# Altium PCB 24V-12V__4x5.PcbDoc (part 1 of 3)
Units mm, origin at the board's own origin, x right, y up, seen from the top; angles counter-clockwise.
Board outline 50.6 x 38 mm, 2 copper layers (Top Layer, Bottom Layer); 540 components, 0 nets, 1936 pads, 840 vias.
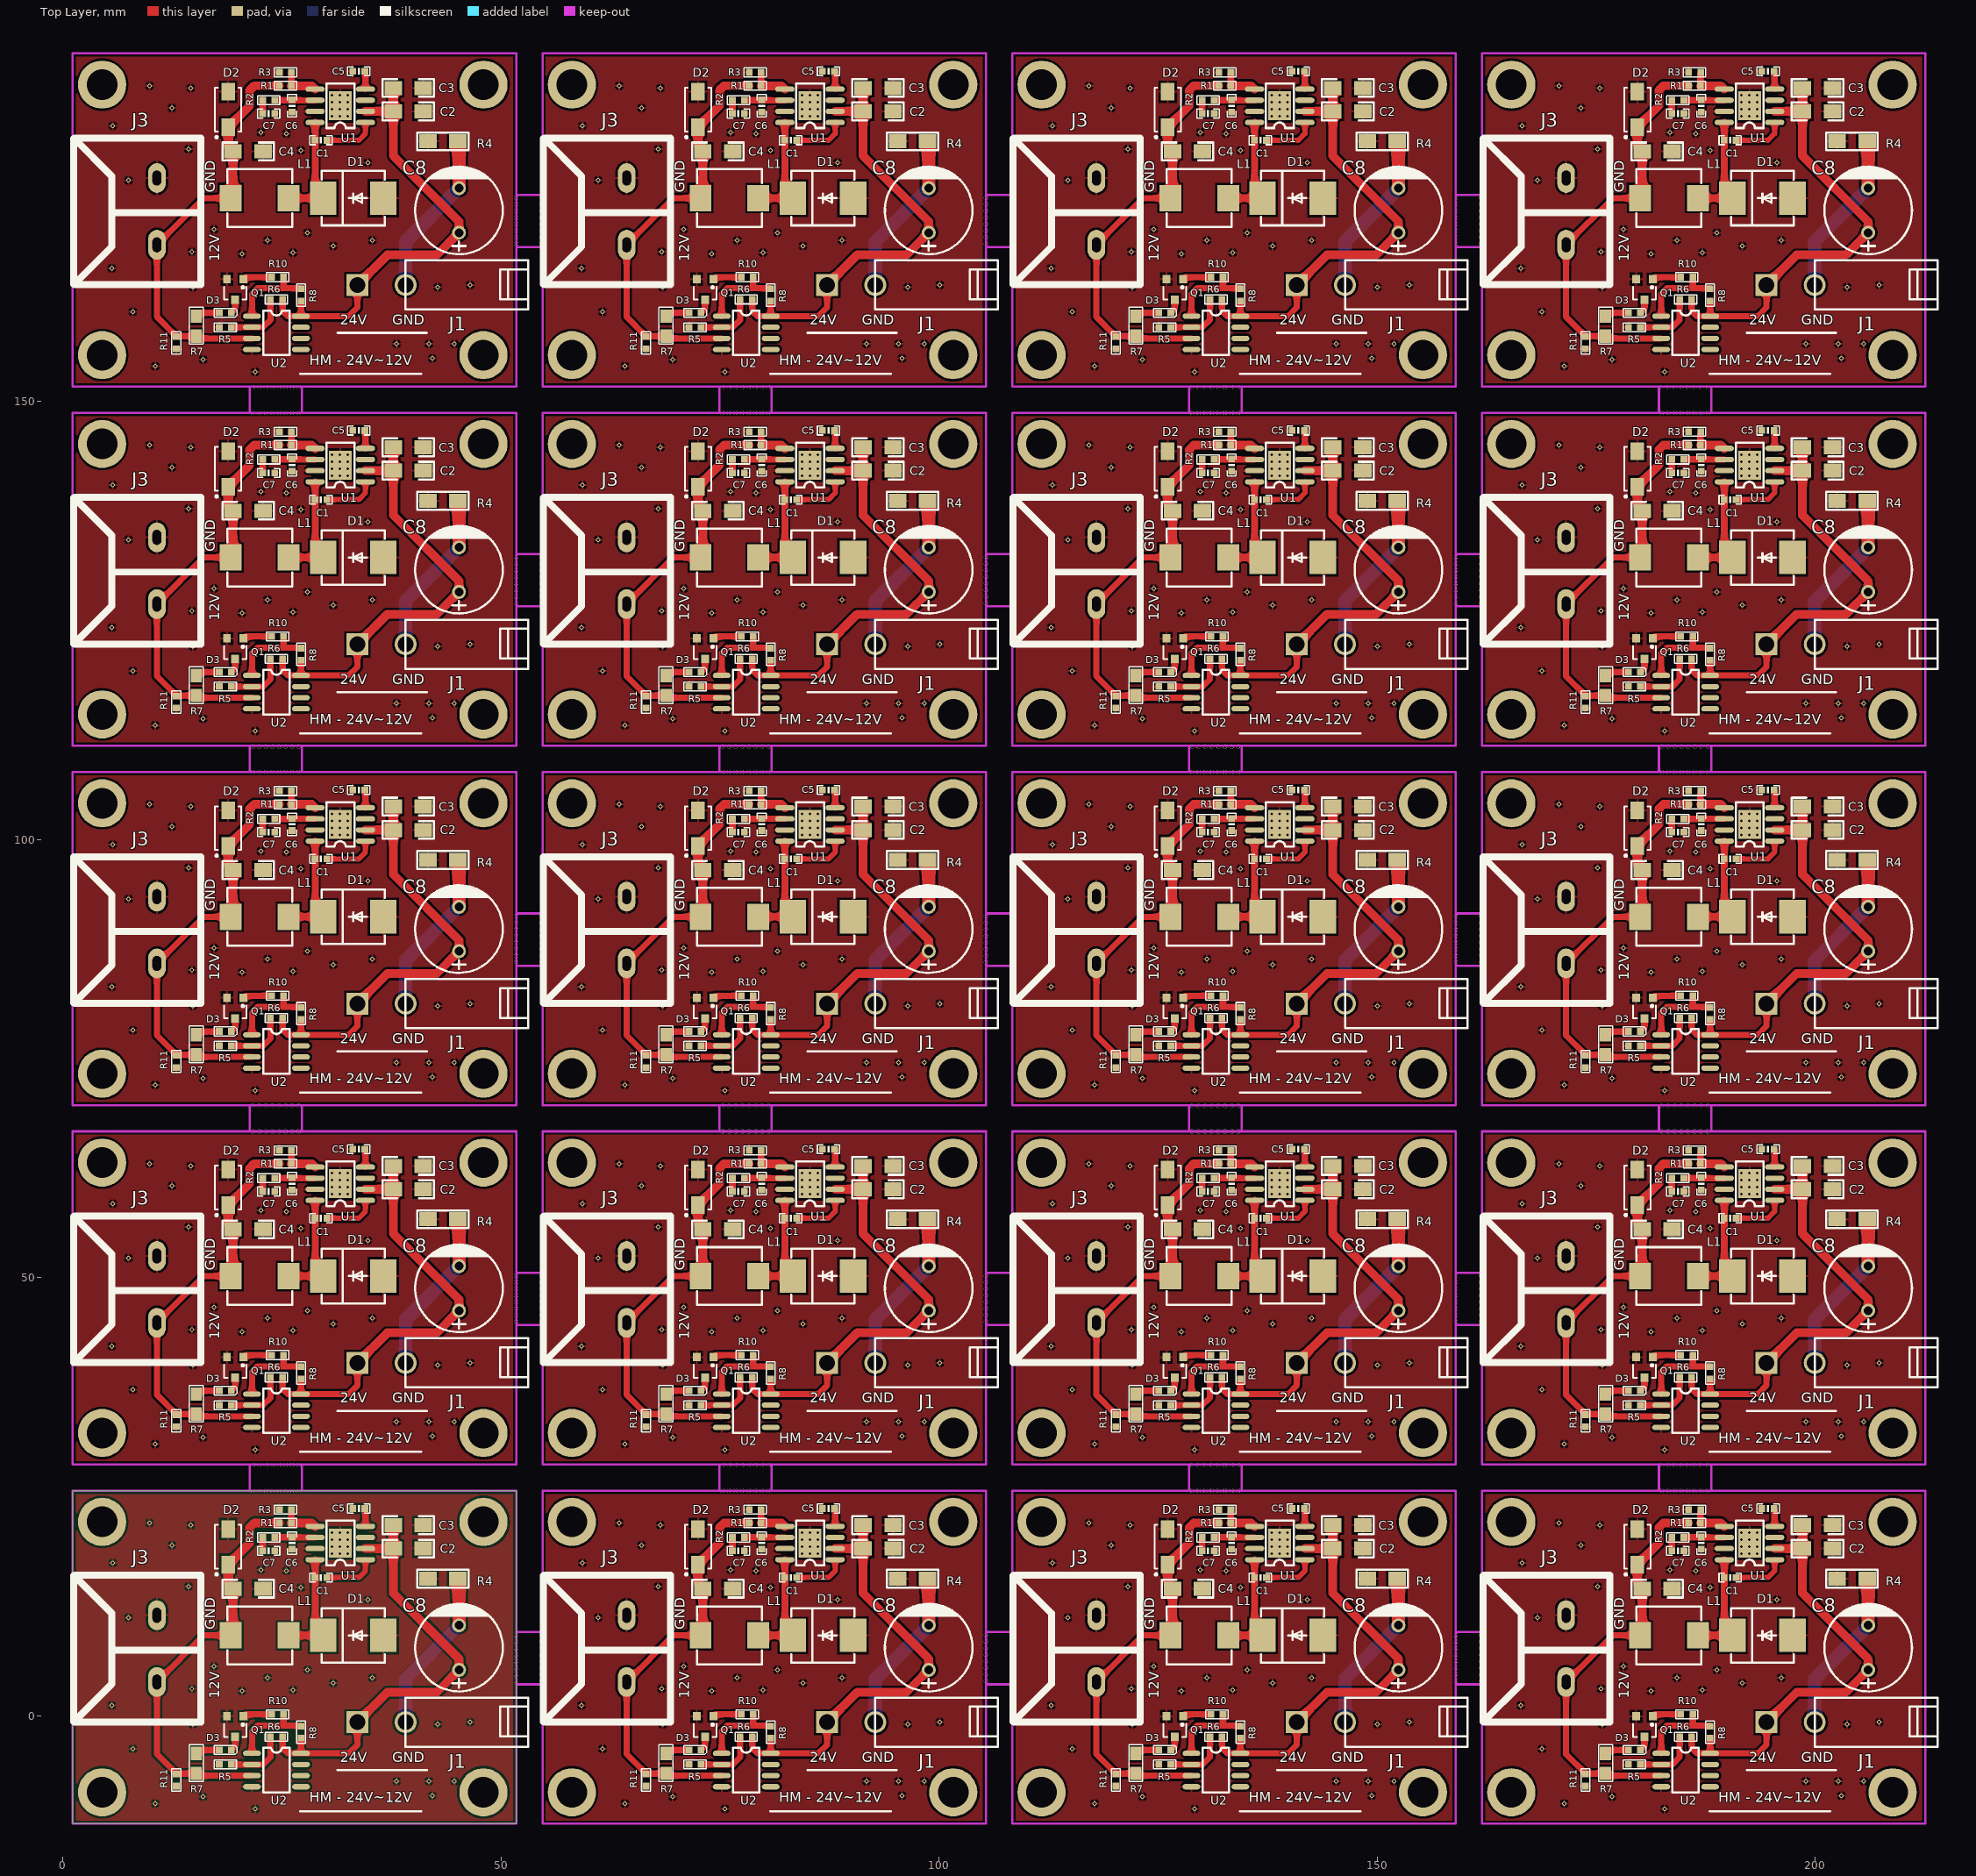
[diagram p0: Top Layer view]
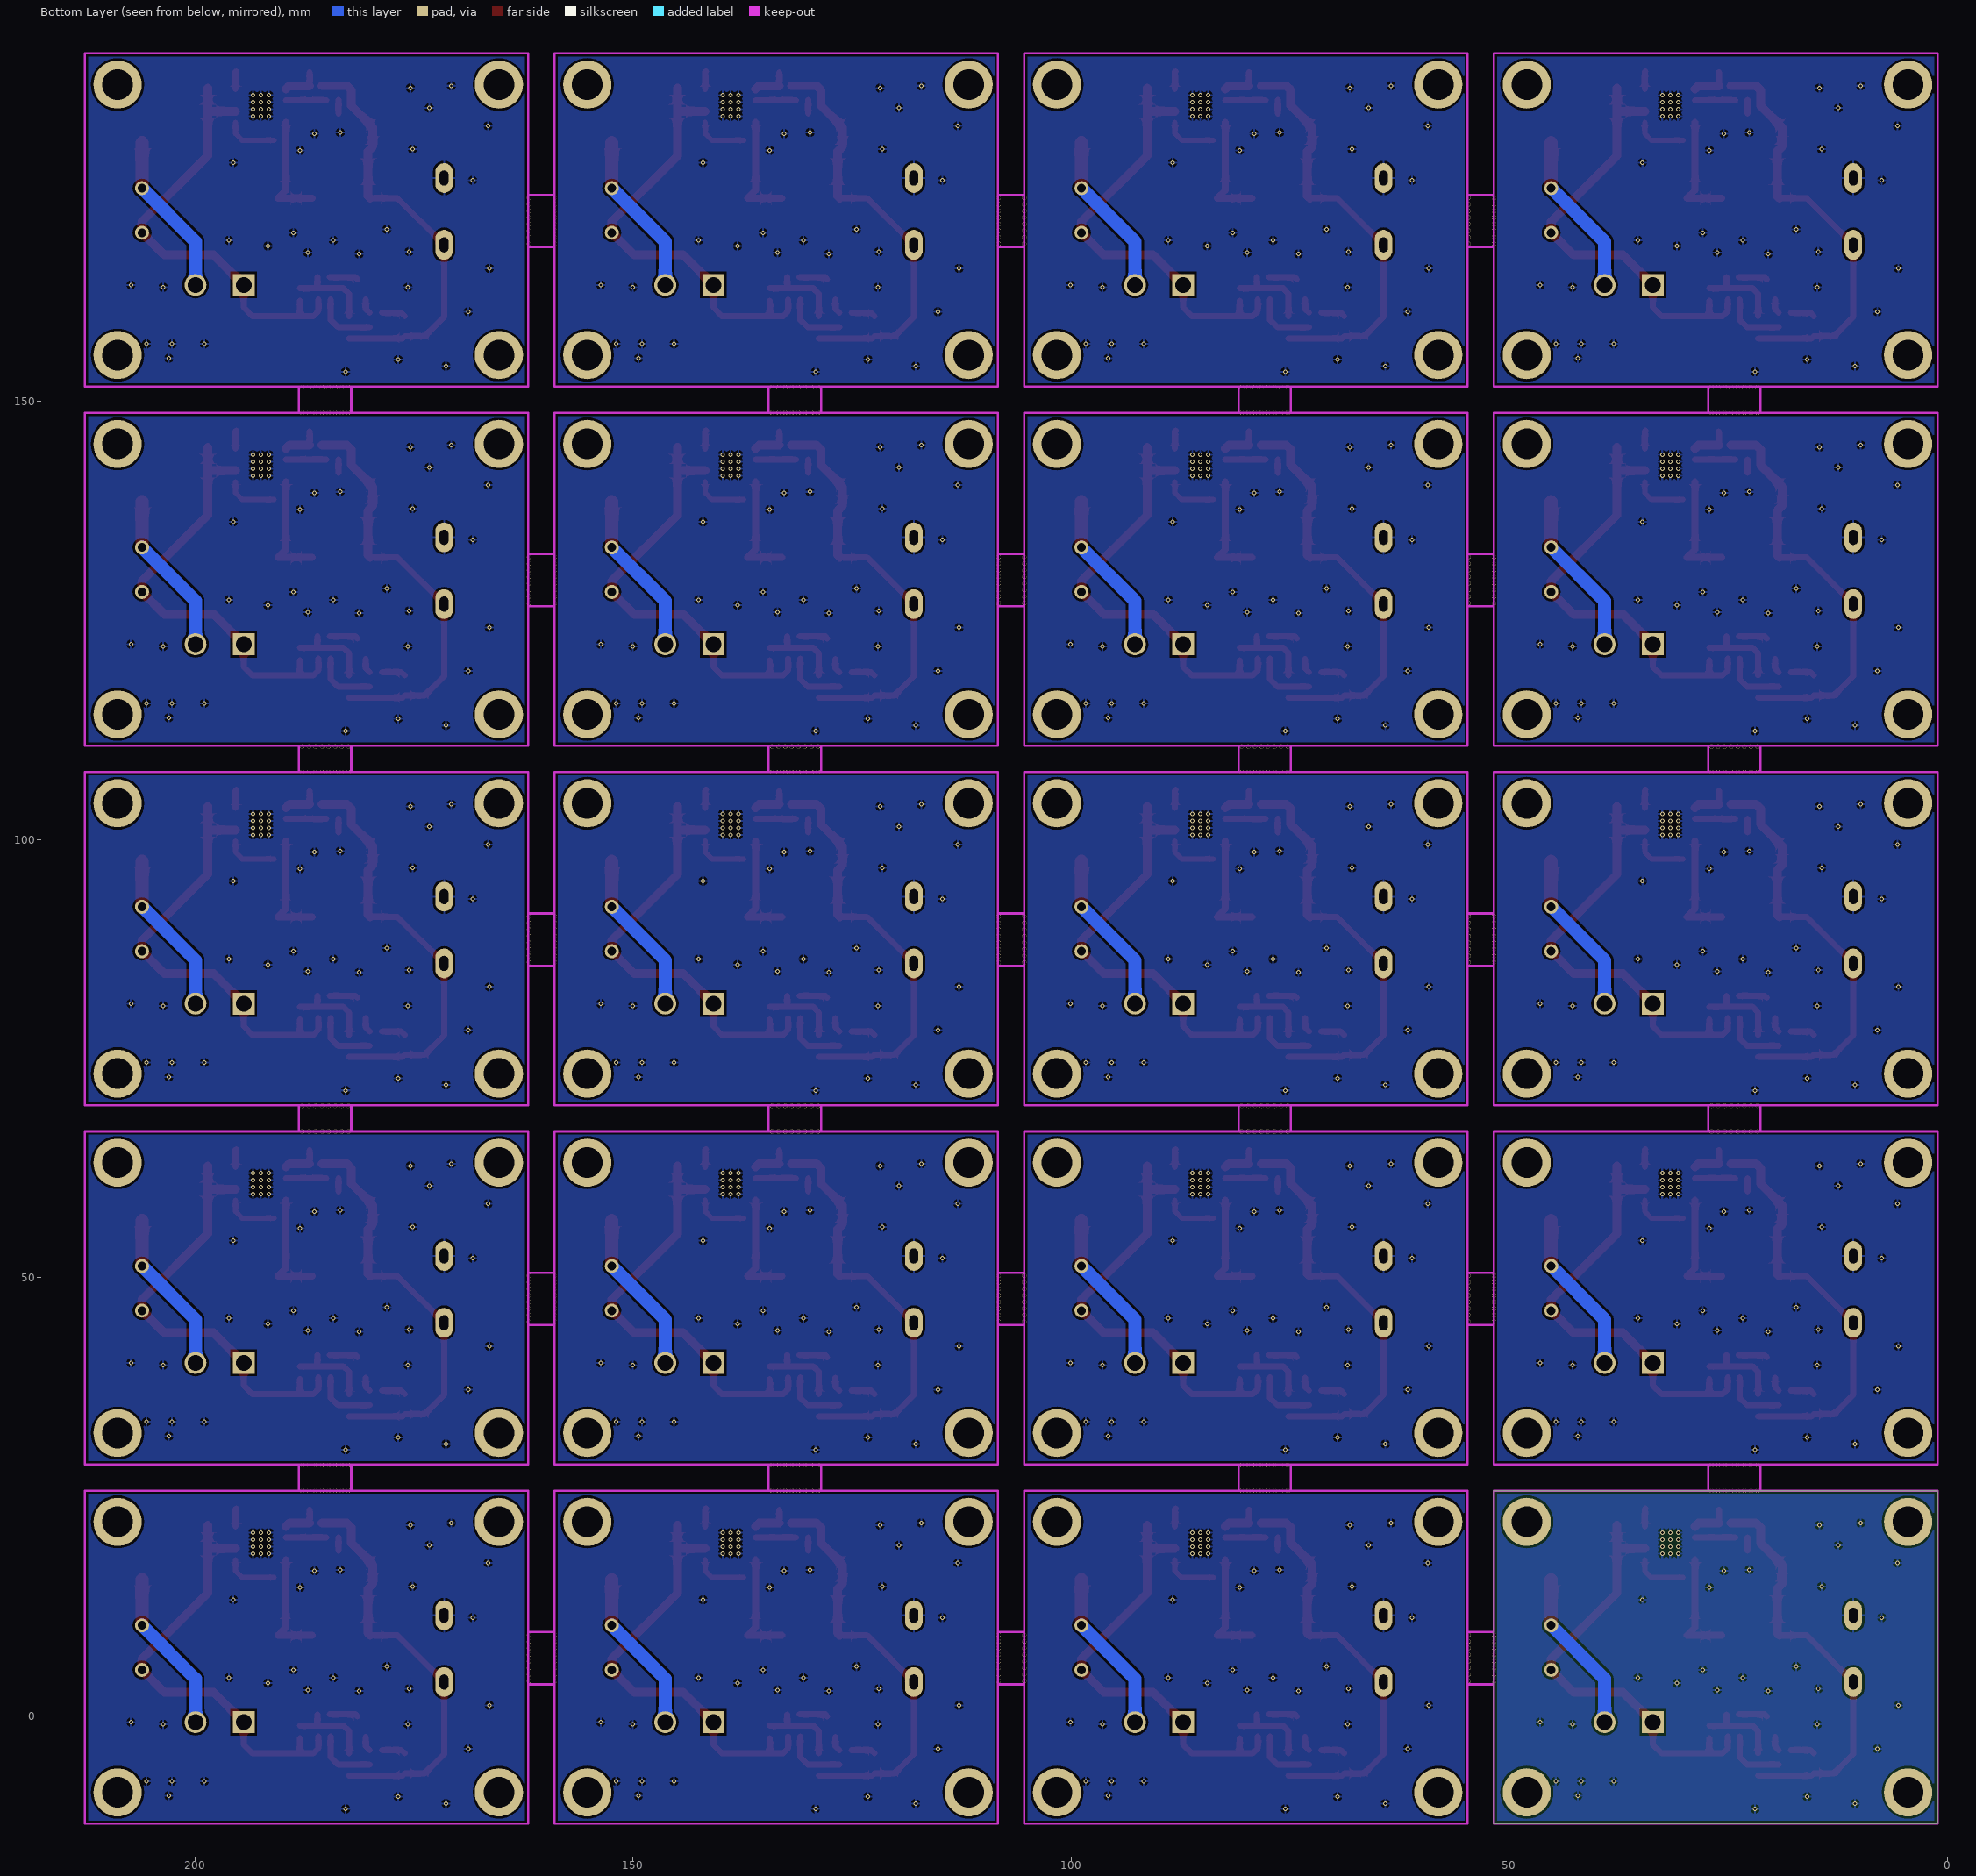
[diagram p1: Bottom Layer view, seen from below]

## Layer stack, top to bottom
Top Solder: solder mask 0.0102, Solder Resist, Dk 3.5
Top Layer: signal copper 0.0356
Dielectric 1: dielectric 0.32, FR-4, Dk 4.8
Bottom Layer: signal copper 0.0356
Bottom Solder: solder mask 0.0102, Solder Resist, Dk 3.5

## Board outline
1.143,-12.319 1.143,25.681 51.743,25.681 51.743,-12.319

## Design rules (kind name [scope] priority, off if disabled: settings)
Clearance [All] p1: gap=0.254
PolygonConnect [All] p1: connectstyle=Relief reliefconductorwidth=0.254 reliefentries=4 polygonreliefangle="90 Angle" airgapwidth=0.254
RoutingVias [All] p1: holewidth=0.711 width=1.27 viastyle="Through Hole" minholewidth=0.711 minwidth=1.27 maxholewidth=0.711 maxwidth=1.27
SolderMaskExpansion [All] p1: expansion=0.102
Width [All] p1: maxlimit=0.254 minlimit=0.254 preferedwidth=0.254
30 further rules are at their usual default settings.

## Components (designator, comment, footprint, x,y, rotation, side; value= is the part's Value field where it differs from the comment)
C1 "100NF/50V" 0603_C 190.264,179.775 r180 top
C1 "100NF/50V" 0603_C 190.264,138.775 r180 top
C1 "100NF/50V" 0603_C 190.264,97.775 r180 top
C1 "100NF/50V" 0603_C 190.264,56.775 r180 top
C1 "100NF/50V" 0603_C 190.264,15.775 r180 top
C1 "100NF/50V" 0603_C 136.664,179.775 r180 top
C1 "100NF/50V" 0603_C 136.664,138.775 r180 top
C1 "100NF/50V" 0603_C 136.664,97.775 r180 top
C1 "100NF/50V" 0603_C 136.664,56.775 r180 top
C1 "100NF/50V" 0603_C 136.664,15.775 r180 top
C1 "100NF/50V" 0603_C 83.064,179.775 r180 top
C1 "100NF/50V" 0603_C 83.064,138.775 r180 top
C1 "100NF/50V" 0603_C 83.064,97.775 r180 top
C1 "100NF/50V" 0603_C 83.064,56.775 r180 top
C1 "100NF/50V" 0603_C 83.064,15.775 r180 top
C1 "100NF/50V" 0603_C 29.464,179.775 r180 top
C1 "100NF/50V" 0603_C 29.464,138.775 r180 top
C1 "100NF/50V" 0603_C 29.464,97.775 r180 top
C1 "100NF/50V" 0603_C 29.464,56.775 r180 top
C1 "100NF/50V" 0603_C 29.464,15.775 r180 top
C2 "10UF/50V" 1206_C 201.948,183.077 r180 top
C2 "10UF/50V" 1206_C 201.948,142.077 r180 top
C2 "10UF/50V" 1206_C 201.948,101.077 r180 top
C2 "10UF/50V" 1206_C 201.948,60.077 r180 top
C2 "10UF/50V" 1206_C 201.948,19.077 r180 top
C2 "10UF/50V" 1206_C 148.348,183.077 r180 top
C2 "10UF/50V" 1206_C 148.348,142.077 r180 top
C2 "10UF/50V" 1206_C 148.348,101.077 r180 top
C2 "10UF/50V" 1206_C 148.348,60.077 r180 top
C2 "10UF/50V" 1206_C 148.348,19.077 r180 top
C2 "10UF/50V" 1206_C 94.748,183.077 r180 top
C2 "10UF/50V" 1206_C 94.748,142.077 r180 top
C2 "10UF/50V" 1206_C 94.748,101.077 r180 top
C2 "10UF/50V" 1206_C 94.748,60.077 r180 top
C2 "10UF/50V" 1206_C 94.748,19.077 r180 top
C2 "10UF/50V" 1206_C 41.148,183.077 r180 top
C2 "10UF/50V" 1206_C 41.148,142.077 r180 top
C2 "10UF/50V" 1206_C 41.148,101.077 r180 top
C2 "10UF/50V" 1206_C 41.148,60.077 r180 top
C2 "10UF/50V" 1206_C 41.148,19.077 r180 top
C3 "10UF/50V" 1206_C 201.948,185.744 r180 top
C3 "10UF/50V" 1206_C 201.948,144.744 r180 top
C3 "10UF/50V" 1206_C 201.948,103.744 r180 top
C3 "10UF/50V" 1206_C 201.948,62.744 r180 top
C3 "10UF/50V" 1206_C 201.948,21.744 r180 top
C3 "10UF/50V" 1206_C 148.348,185.744 r180 top
C3 "10UF/50V" 1206_C 148.348,144.744 r180 top
C3 "10UF/50V" 1206_C 148.348,103.744 r180 top
C3 "10UF/50V" 1206_C 148.348,62.744 r180 top
C3 "10UF/50V" 1206_C 148.348,21.744 r180 top
C3 "10UF/50V" 1206_C 94.748,185.744 r180 top
C3 "10UF/50V" 1206_C 94.748,144.744 r180 top
C3 "10UF/50V" 1206_C 94.748,103.744 r180 top
C3 "10UF/50V" 1206_C 94.748,62.744 r180 top
C3 "10UF/50V" 1206_C 94.748,21.744 r180 top
C3 "10UF/50V" 1206_C 41.148,185.744 r180 top
C3 "10UF/50V" 1206_C 41.148,144.744 r180 top
C3 "10UF/50V" 1206_C 41.148,103.744 r180 top
C3 "10UF/50V" 1206_C 41.148,62.744 r180 top
C3 "10UF/50V" 1206_C 41.148,21.744 r180 top
C4 "22UF/25V" 1206_C 183.66,178.505 r180 top
C4 "22UF/25V" 1206_C 183.66,137.505 r180 top
C4 "22UF/25V" 1206_C 183.66,96.505 r180 top
C4 "22UF/25V" 1206_C 183.66,55.505 r180 top
C4 "22UF/25V" 1206_C 183.66,14.505 r180 top
C4 "22UF/25V" 1206_C 130.06,178.505 r180 top
C4 "22UF/25V" 1206_C 130.06,137.505 r180 top
C4 "22UF/25V" 1206_C 130.06,96.505 r180 top
C4 "22UF/25V" 1206_C 130.06,55.505 r180 top
C4 "22UF/25V" 1206_C 130.06,14.505 r180 top
C4 "22UF/25V" 1206_C 76.46,178.505 r180 top
C4 "22UF/25V" 1206_C 76.46,137.505 r180 top
C4 "22UF/25V" 1206_C 76.46,96.505 r180 top
C4 "22UF/25V" 1206_C 76.46,55.505 r180 top
C4 "22UF/25V" 1206_C 76.46,14.505 r180 top
C4 "22UF/25V" 1206_C 22.86,178.505 r180 top
C4 "22UF/25V" 1206_C 22.86,137.505 r180 top
C4 "22UF/25V" 1206_C 22.86,96.505 r180 top
C4 "22UF/25V" 1206_C 22.86,55.505 r180 top
C4 "22UF/25V" 1206_C 22.86,14.505 r180 top
C5 "8.2NF/50V" 0603_C 194.582,187.649 r180 top
C5 "8.2NF/50V" 0603_C 194.582,146.649 r180 top
C5 "8.2NF/50V" 0603_C 194.582,105.649 r180 top
C5 "8.2NF/50V" 0603_C 194.582,64.649 r180 top
C5 "8.2NF/50V" 0603_C 194.582,23.649 r180 top
C5 "8.2NF/50V" 0603_C 140.982,187.649 r180 top
C5 "8.2NF/50V" 0603_C 140.982,146.649 r180 top
C5 "8.2NF/50V" 0603_C 140.982,105.649 r180 top
C5 "8.2NF/50V" 0603_C 140.982,64.649 r180 top
C5 "8.2NF/50V" 0603_C 140.982,23.649 r180 top
C5 "8.2NF/50V" 0603_C 87.382,187.649 r180 top
C5 "8.2NF/50V" 0603_C 87.382,146.649 r180 top
C5 "8.2NF/50V" 0603_C 87.382,105.649 r180 top
C5 "8.2NF/50V" 0603_C 87.382,64.649 r180 top
C5 "8.2NF/50V" 0603_C 87.382,23.649 r180 top
C5 "8.2NF/50V" 0603_C 33.782,187.649 r180 top
C5 "8.2NF/50V" 0603_C 33.782,146.649 r180 top
C5 "8.2NF/50V" 0603_C 33.782,105.649 r180 top
C5 "8.2NF/50V" 0603_C 33.782,64.649 r180 top
C5 "8.2NF/50V" 0603_C 33.782,23.649 r180 top
C6 "10PF/50V" 0603_C 186.962,183.712 r270 top
C6 "10PF/50V" 0603_C 186.962,142.712 r270 top
C6 "10PF/50V" 0603_C 186.962,101.712 r270 top
C6 "10PF/50V" 0603_C 186.962,60.712 r270 top
C6 "10PF/50V" 0603_C 186.962,19.712 r270 top
C6 "10PF/50V" 0603_C 133.362,183.712 r270 top
C6 "10PF/50V" 0603_C 133.362,142.712 r270 top
C6 "10PF/50V" 0603_C 133.362,101.712 r270 top
C6 "10PF/50V" 0603_C 133.362,60.712 r270 top
C6 "10PF/50V" 0603_C 133.362,19.712 r270 top
C6 "10PF/50V" 0603_C 79.762,183.712 r270 top
C6 "10PF/50V" 0603_C 79.762,142.712 r270 top
C6 "10PF/50V" 0603_C 79.762,101.712 r270 top
C6 "10PF/50V" 0603_C 79.762,60.712 r270 top
C6 "10PF/50V" 0603_C 79.762,19.712 r270 top
C6 "10PF/50V" 0603_C 26.162,183.712 r270 top
C6 "10PF/50V" 0603_C 26.162,142.712 r270 top
C6 "10PF/50V" 0603_C 26.162,101.712 r270 top
C6 "10PF/50V" 0603_C 26.162,60.712 r270 top
C6 "10PF/50V" 0603_C 26.162,19.712 r270 top
C7 "1NF/50V" 0603_C 184.295,182.823 r0 top
C7 "1NF/50V" 0603_C 184.295,141.823 r0 top
C7 "1NF/50V" 0603_C 184.295,100.823 r0 top
C7 "1NF/50V" 0603_C 184.295,59.823 r0 top
C7 "1NF/50V" 0603_C 184.295,18.823 r0 top
C7 "1NF/50V" 0603_C 130.695,182.823 r0 top
C7 "1NF/50V" 0603_C 130.695,141.823 r0 top
C7 "1NF/50V" 0603_C 130.695,100.823 r0 top
C7 "1NF/50V" 0603_C 130.695,59.823 r0 top
C7 "1NF/50V" 0603_C 130.695,18.823 r0 top
C7 "1NF/50V" 0603_C 77.095,182.823 r0 top
C7 "1NF/50V" 0603_C 77.095,141.823 r0 top
C7 "1NF/50V" 0603_C 77.095,100.823 r0 top
C7 "1NF/50V" 0603_C 77.095,59.823 r0 top
C7 "1NF/50V" 0603_C 77.095,18.823 r0 top
C7 "1NF/50V" 0603_C 23.495,182.823 r0 top
C7 "1NF/50V" 0603_C 23.495,141.823 r0 top
C7 "1NF/50V" 0603_C 23.495,100.823 r0 top
C7 "1NF/50V" 0603_C 23.495,59.823 r0 top
C7 "1NF/50V" 0603_C 23.495,18.823 r0 top
C8 "470UF/35V" EC-DIP_BD10.0-P5.00-D1.0-FD 206.012,171.774 r90 top
C8 "470UF/35V" EC-DIP_BD10.0-P5.00-D1.0-FD 206.012,130.774 r90 top
C8 "470UF/35V" EC-DIP_BD10.0-P5.00-D1.0-FD 206.012,89.774 r90 top
C8 "470UF/35V" EC-DIP_BD10.0-P5.00-D1.0-FD 206.012,48.774 r90 top
C8 "470UF/35V" EC-DIP_BD10.0-P5.00-D1.0-FD 206.012,7.774 r90 top
C8 "470UF/35V" EC-DIP_BD10.0-P5.00-D1.0-FD 152.412,171.774 r90 top
C8 "470UF/35V" EC-DIP_BD10.0-P5.00-D1.0-FD 152.412,130.774 r90 top
C8 "470UF/35V" EC-DIP_BD10.0-P5.00-D1.0-FD 152.412,89.774 r90 top
C8 "470UF/35V" EC-DIP_BD10.0-P5.00-D1.0-FD 152.412,48.774 r90 top
C8 "470UF/35V" EC-DIP_BD10.0-P5.00-D1.0-FD 152.412,7.774 r90 top
C8 "470UF/35V" EC-DIP_BD10.0-P5.00-D1.0-FD 98.812,171.774 r90 top
C8 "470UF/35V" EC-DIP_BD10.0-P5.00-D1.0-FD 98.812,130.774 r90 top
C8 "470UF/35V" EC-DIP_BD10.0-P5.00-D1.0-FD 98.812,89.774 r90 top
C8 "470UF/35V" EC-DIP_BD10.0-P5.00-D1.0-FD 98.812,48.774 r90 top
C8 "470UF/35V" EC-DIP_BD10.0-P5.00-D1.0-FD 98.812,7.774 r90 top
C8 "470UF/35V" EC-DIP_BD10.0-P5.00-D1.0-FD 45.212,171.774 r90 top
C8 "470UF/35V" EC-DIP_BD10.0-P5.00-D1.0-FD 45.212,130.774 r90 top
C8 "470UF/35V" EC-DIP_BD10.0-P5.00-D1.0-FD 45.212,89.774 r90 top
C8 "470UF/35V" EC-DIP_BD10.0-P5.00-D1.0-FD 45.212,48.774 r90 top
C8 "470UF/35V" EC-DIP_BD10.0-P5.00-D1.0-FD 45.212,7.774 r90 top
D1 "SK104" SMC/DO214AB 193.947,173.171 r180 top
D1 "SK104" SMC/DO214AB 193.947,132.171 r180 top
D1 "SK104" SMC/DO214AB 193.947,91.171 r180 top
D1 "SK104" SMC/DO214AB 193.947,50.171 r180 top
D1 "SK104" SMC/DO214AB 193.947,9.171 r180 top
D1 "SK104" SMC/DO214AB 140.347,173.171 r180 top
D1 "SK104" SMC/DO214AB 140.347,132.171 r180 top
D1 "SK104" SMC/DO214AB 140.347,91.171 r180 top
D1 "SK104" SMC/DO214AB 140.347,50.171 r180 top
D1 "SK104" SMC/DO214AB 140.347,9.171 r180 top
D1 "SK104" SMC/DO214AB 86.747,173.171 r180 top
D1 "SK104" SMC/DO214AB 86.747,132.171 r180 top
D1 "SK104" SMC/DO214AB 86.747,91.171 r180 top
D1 "SK104" SMC/DO214AB 86.747,50.171 r180 top
D1 "SK104" SMC/DO214AB 86.747,9.171 r180 top
D1 "SK104" SMC/DO214AB 33.147,173.171 r180 top
D1 "SK104" SMC/DO214AB 33.147,132.171 r180 top
D1 "SK104" SMC/DO214AB 33.147,91.171 r180 top
D1 "SK104" SMC/DO214AB 33.147,50.171 r180 top
D1 "SK104" SMC/DO214AB 33.147,9.171 r180 top
D2 "SMAJ12A" SMA/DO214AC 178.58,183.585 r270 top
D2 "SMAJ12A" SMA/DO214AC 178.58,142.585 r270 top
D2 "SMAJ12A" SMA/DO214AC 178.58,101.585 r270 top
D2 "SMAJ12A" SMA/DO214AC 178.58,60.585 r270 top
D2 "SMAJ12A" SMA/DO214AC 178.58,19.585 r270 top
D2 "SMAJ12A" SMA/DO214AC 124.98,183.585 r270 top
D2 "SMAJ12A" SMA/DO214AC 124.98,142.585 r270 top
D2 "SMAJ12A" SMA/DO214AC 124.98,101.585 r270 top
D2 "SMAJ12A" SMA/DO214AC 124.98,60.585 r270 top
D2 "SMAJ12A" SMA/DO214AC 124.98,19.585 r270 top
D2 "SMAJ12A" SMA/DO214AC 71.38,183.585 r270 top
D2 "SMAJ12A" SMA/DO214AC 71.38,142.585 r270 top
D2 "SMAJ12A" SMA/DO214AC 71.38,101.585 r270 top
D2 "SMAJ12A" SMA/DO214AC 71.38,60.585 r270 top
D2 "SMAJ12A" SMA/DO214AC 71.38,19.585 r270 top
D2 "SMAJ12A" SMA/DO214AC 17.78,183.585 r270 top
D2 "SMAJ12A" SMA/DO214AC 17.78,142.585 r270 top
D2 "SMAJ12A" SMA/DO214AC 17.78,101.585 r270 top
D2 "SMAJ12A" SMA/DO214AC 17.78,60.585 r270 top
D2 "SMAJ12A" SMA/DO214AC 17.78,19.585 r270 top
D3 "LED红" 0603_D 179.342,160.09 r0 top
D3 "LED红" 0603_D 179.342,119.09 r0 top
D3 "LED红" 0603_D 179.342,78.09 r0 top
D3 "LED红" 0603_D 179.342,37.09 r0 top
D3 "LED红" 0603_D 179.342,-3.91 r0 top
D3 "LED红" 0603_D 125.742,160.09 r0 top
D3 "LED红" 0603_D 125.742,119.09 r0 top
D3 "LED红" 0603_D 125.742,78.09 r0 top
D3 "LED红" 0603_D 125.742,37.09 r0 top
D3 "LED红" 0603_D 125.742,-3.91 r0 top
D3 "LED红" 0603_D 72.142,160.09 r0 top
D3 "LED红" 0603_D 72.142,119.09 r0 top
D3 "LED红" 0603_D 72.142,78.09 r0 top
D3 "LED红" 0603_D 72.142,37.09 r0 top
D3 "LED红" 0603_D 72.142,-3.91 r0 top
D3 "LED红" 0603_D 18.542,160.09 r0 top
D3 "LED红" 0603_D 18.542,119.09 r0 top
D3 "LED红" 0603_D 18.542,78.09 r0 top
D3 "LED红" 0603_D 18.542,37.09 r0 top
D3 "LED红" 0603_D 18.542,-3.91 r0 top
J1 "DIP-2*1" 5557-2*1AW 199.916,163.265 r90 top
J1 "DIP-2*1" 5557-2*1AW 199.916,122.265 r90 top
J1 "DIP-2*1" 5557-2*1AW 199.916,81.265 r90 top
J1 "DIP-2*1" 5557-2*1AW 199.916,40.265 r90 top
J1 "DIP-2*1" 5557-2*1AW 199.916,-0.735 r90 top
J1 "DIP-2*1" 5557-2*1AW 146.316,163.265 r90 top
J1 "DIP-2*1" 5557-2*1AW 146.316,122.265 r90 top
J1 "DIP-2*1" 5557-2*1AW 146.316,81.265 r90 top
J1 "DIP-2*1" 5557-2*1AW 146.316,40.265 r90 top
J1 "DIP-2*1" 5557-2*1AW 146.316,-0.735 r90 top
J1 "DIP-2*1" 5557-2*1AW 92.716,163.265 r90 top
J1 "DIP-2*1" 5557-2*1AW 92.716,122.265 r90 top
J1 "DIP-2*1" 5557-2*1AW 92.716,81.265 r90 top
J1 "DIP-2*1" 5557-2*1AW 92.716,40.265 r90 top
J1 "DIP-2*1" 5557-2*1AW 92.716,-0.735 r90 top
J1 "DIP-2*1" 5557-2*1AW 39.116,163.265 r90 top
J1 "DIP-2*1" 5557-2*1AW 39.116,122.265 r90 top
J1 "DIP-2*1" 5557-2*1AW 39.116,81.265 r90 top
J1 "DIP-2*1" 5557-2*1AW 39.116,40.265 r90 top
J1 "DIP-2*1" 5557-2*1AW 39.116,-0.735 r90 top
J3 "SIP-2" HB7620-2P 176.548,180.029 r0 top
J3 "SIP-2" HB7620-2P 176.548,139.029 r0 top
J3 "SIP-2" HB7620-2P 176.548,98.029 r0 top
J3 "SIP-2" HB7620-2P 176.548,57.029 r0 top
J3 "SIP-2" HB7620-2P 176.548,16.029 r0 top
J3 "SIP-2" HB7620-2P 122.948,180.029 r0 top
J3 "SIP-2" HB7620-2P 122.948,139.029 r0 top
J3 "SIP-2" HB7620-2P 122.948,98.029 r0 top
J3 "SIP-2" HB7620-2P 122.948,57.029 r0 top
J3 "SIP-2" HB7620-2P 122.948,16.029 r0 top
J3 "SIP-2" HB7620-2P 69.348,180.029 r0 top
J3 "SIP-2" HB7620-2P 69.348,139.029 r0 top
J3 "SIP-2" HB7620-2P 69.348,98.029 r0 top
J3 "SIP-2" HB7620-2P 69.348,57.029 r0 top
J3 "SIP-2" HB7620-2P 69.348,16.029 r0 top
J3 "SIP-2" HB7620-2P 15.748,180.029 r0 top
J3 "SIP-2" HB7620-2P 15.748,139.029 r0 top
J3 "SIP-2" HB7620-2P 15.748,98.029 r0 top
J3 "SIP-2" HB7620-2P 15.748,57.029 r0 top
J3 "SIP-2" HB7620-2P 15.748,16.029 r0 top
L1 "12UH/3A" IND-SMD_0630 183.279,173.171 r180 top
L1 "12UH/3A" IND-SMD_0630 183.279,132.171 r180 top
L1 "12UH/3A" IND-SMD_0630 183.279,91.171 r180 top
L1 "12UH/3A" IND-SMD_0630 183.279,50.171 r180 top
L1 "12UH/3A" IND-SMD_0630 183.279,9.171 r180 top
L1 "12UH/3A" IND-SMD_0630 129.679,173.171 r180 top
L1 "12UH/3A" IND-SMD_0630 129.679,132.171 r180 top
L1 "12UH/3A" IND-SMD_0630 129.679,91.171 r180 top
L1 "12UH/3A" IND-SMD_0630 129.679,50.171 r180 top
L1 "12UH/3A" IND-SMD_0630 129.679,9.171 r180 top